# Altium PCB MOTHER_BOARD_V1.0_TEST.PcbDoc (part 1 of 2)
Units mm, origin at the board's own origin, x right, y up, seen from the top; angles counter-clockwise.
Board outline 320 x 91 mm, 6 copper layers (Top Layer, Layer 2, Layer 3, Layer 4, Layer 5, Bottom Layer), stack 1.509 mm thick; 140 components, 446 nets, 1029 pads, 95 vias.
Unrouted connection lines stored in the file: 1411.
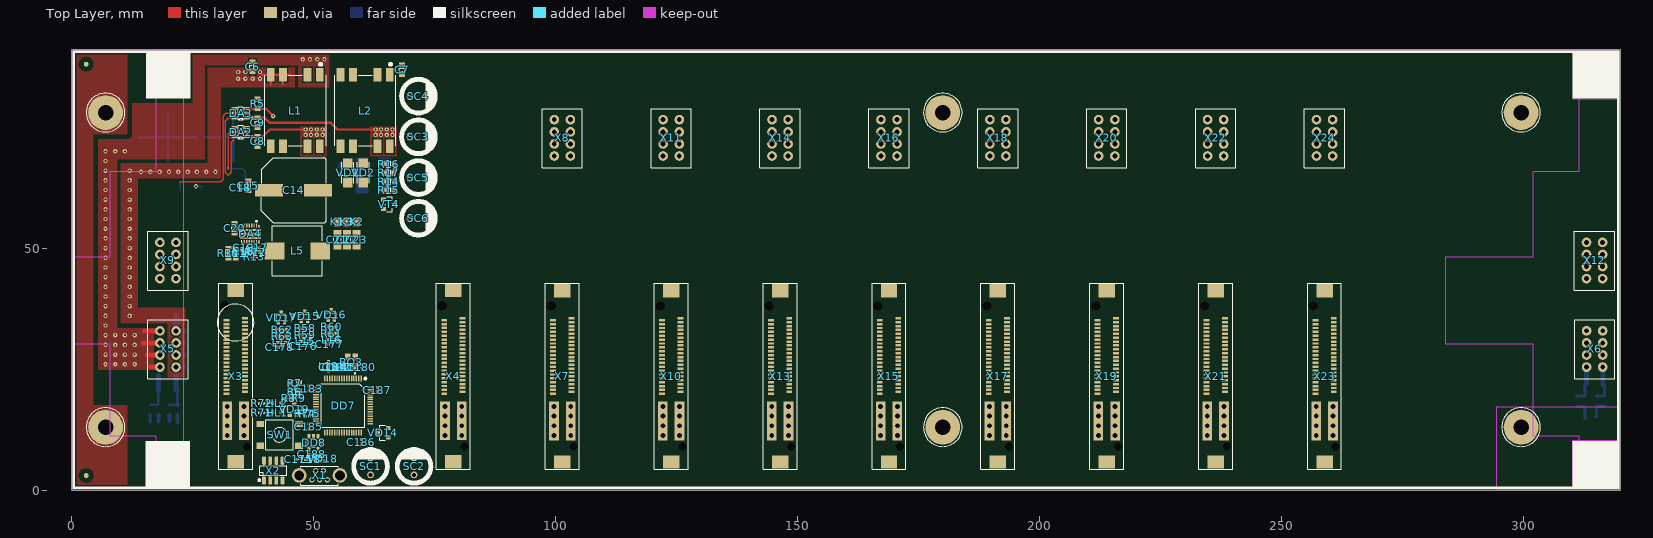
[diagram p0: Top Layer view]
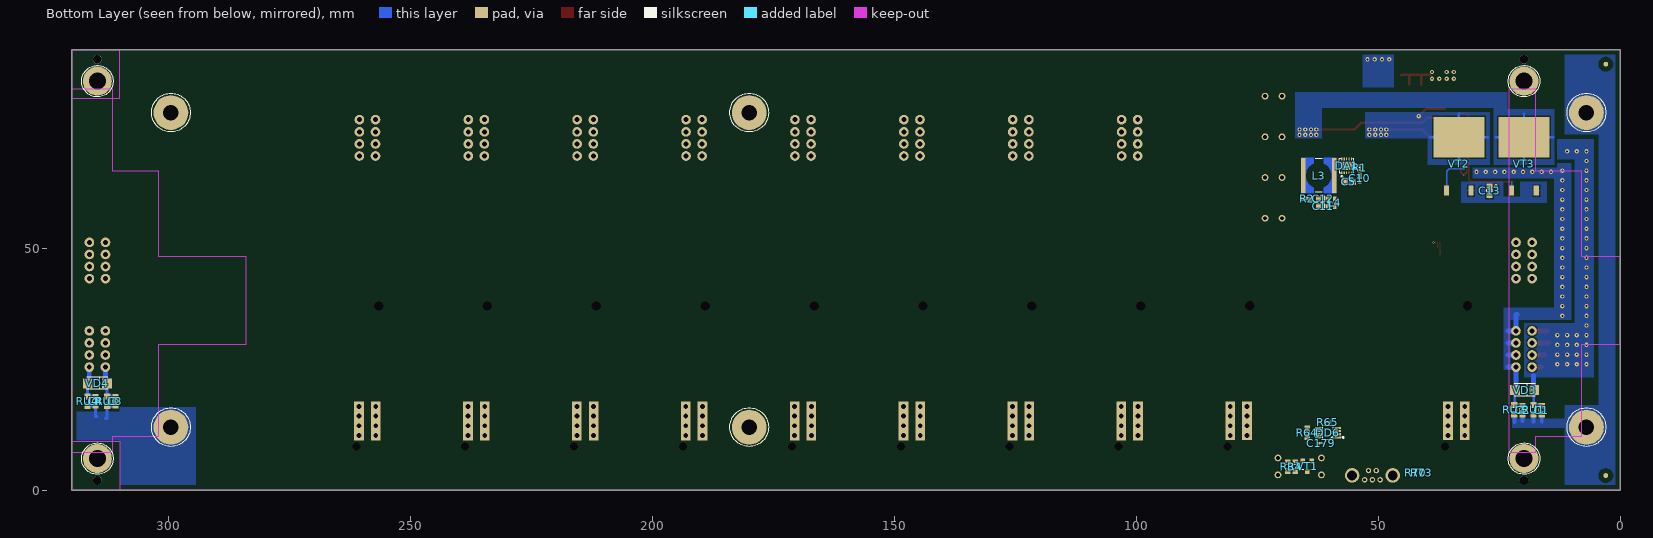
[diagram p1: Bottom Layer view, seen from below]
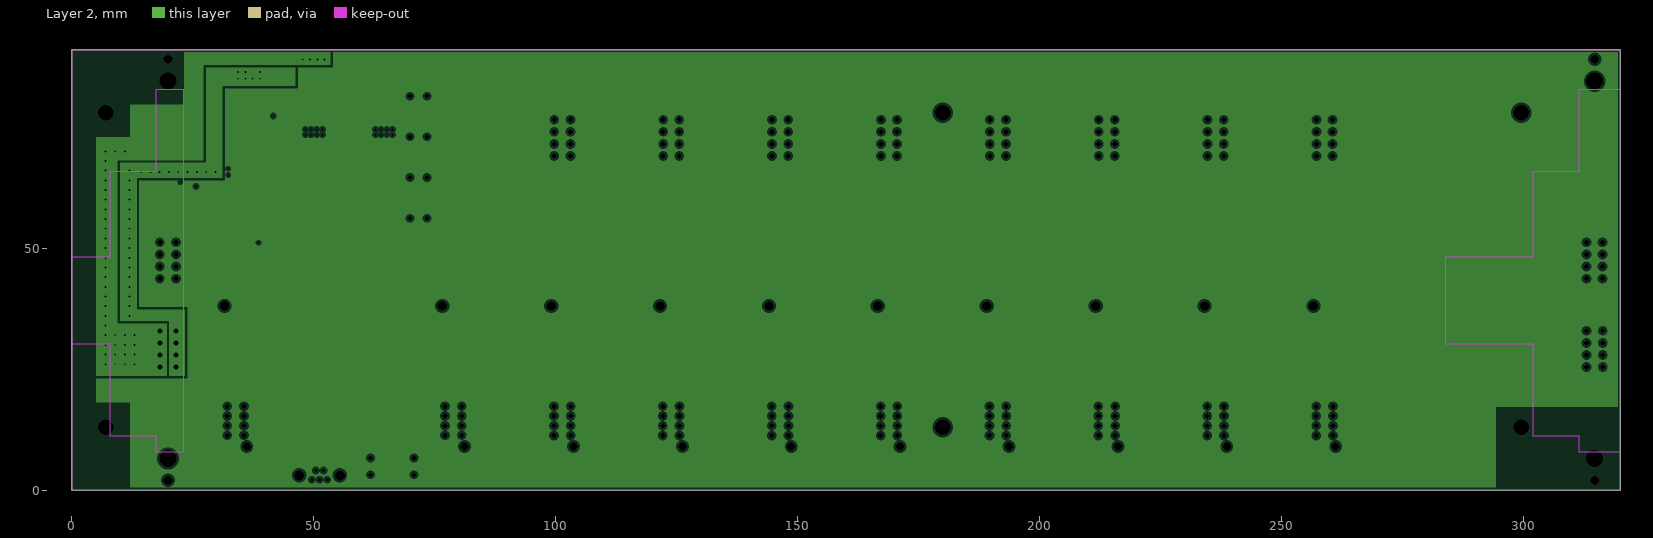
[diagram p2: Layer 2, clearances drawn from the general rule]
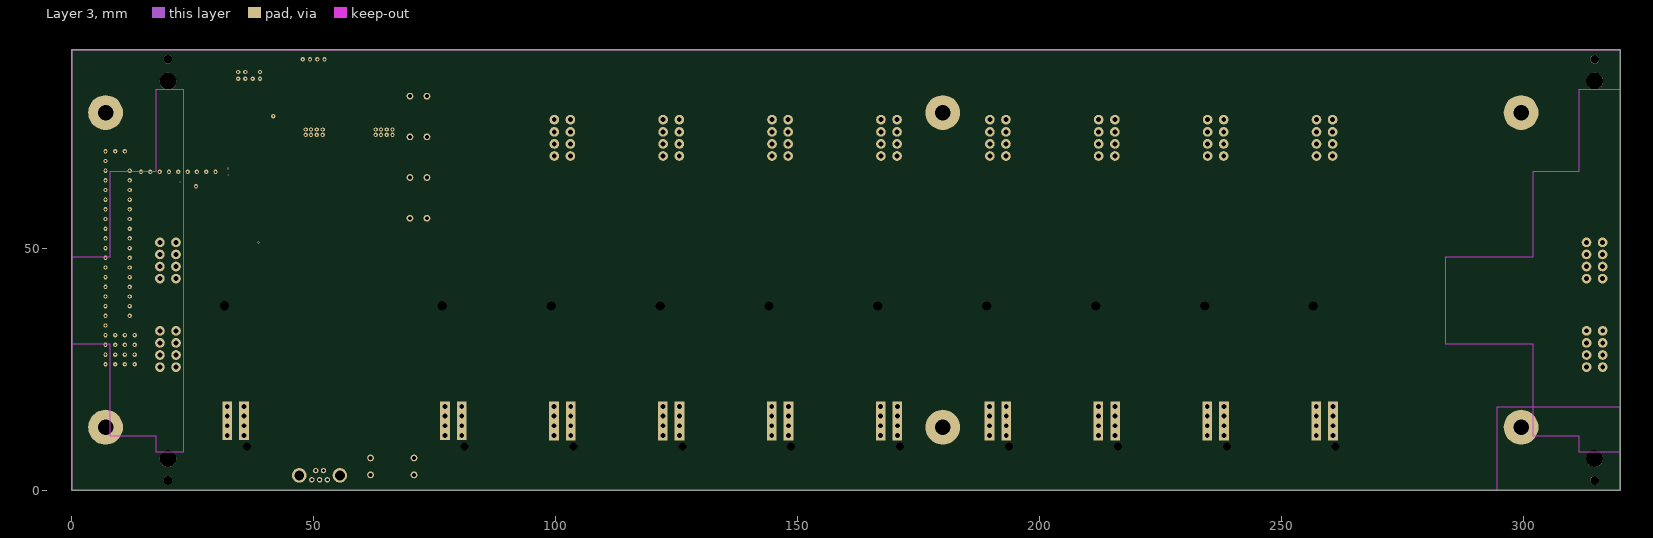
[diagram p3: Layer 3]
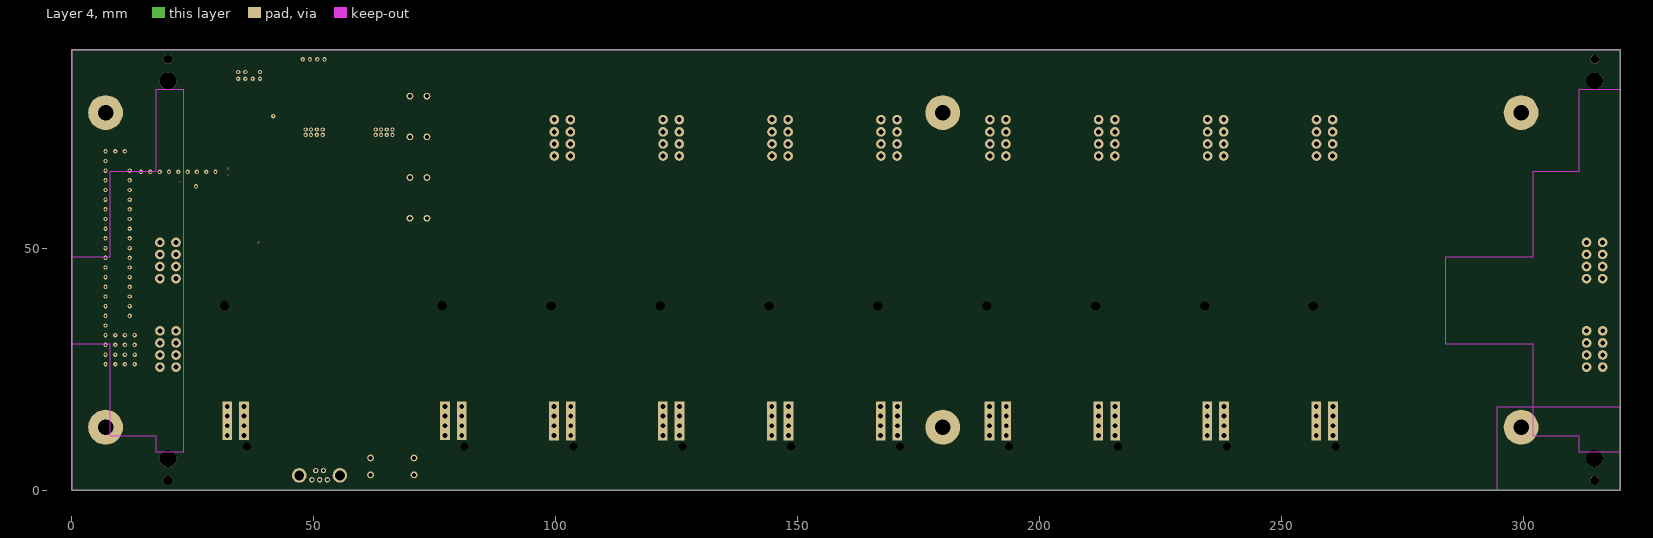
[diagram p4: Layer 4]
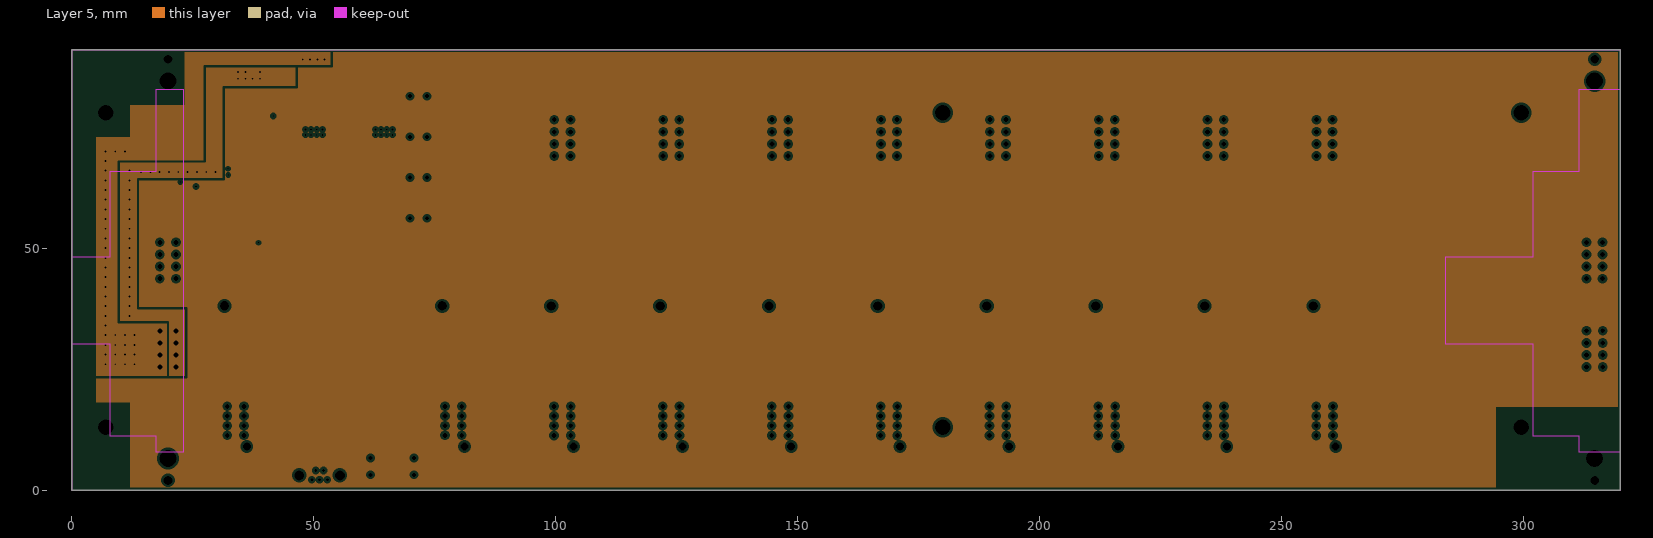
[diagram p5: Layer 5, clearances drawn from the general rule]

## Layer stack, top to bottom
Top Solder: solder mask 0.025, Solder Resist, Dk 3.5
Top Layer: signal copper 0.018
PREPREG1: prepreg 0.127, 2116, Dk 4.2
Layer 2: plane copper 0.018, net (Multiple Nets)
CORE1: core 0.51, FR4, Dk 4.6
Layer 3: signal copper 0.018
PREPREG2: prepreg 0.127, 2116, Dk 4.2
Layer 4: signal copper 0.018
CORE2: core 0.51, FR4, Dk 4.6
Layer 5: plane copper 0.018, net (Multiple Nets)
PREPREG3: prepreg 0.127, 2116, Dk 4.2
Bottom Layer: signal copper 0.018
Bottom Solder: solder mask 0.025, Solder Resist, Dk 3.5

## Board outline
0,0 0,91 320,91 320,0

## Design rules (kind name [scope] priority, off if disabled: settings)
Clearance ClearanceBoard [All vs OnLayer('Keep-Out Layer')] p1: gap=1 ignorepadtopadclearanceinfootprint=FALSE
Clearance ClearanceShield [IsTrack or InPoly vs InNet('SHIELD')] p2: gap=1 ignorepadtopadclearanceinfootprint=FALSE
Clearance [All] p3: gap=0.125 ignorepadtopadclearanceinfootprint=TRUE
DiffPairsRouting [All] p1: maxlimit=0.254 minlimit=0.254 mostfreqgap=0.254 toplayer_minwidth=0.381 toplayer_maxwidth=0.381 toplayer_prefwidth=0.381 midlayer1_minwidth=0.381 midlayer1_maxwidth=0.381 midlayer1_prefwidth=0.381 midlayer2_minwidth=0.381 midlayer2_maxwidth=0.381 midlayer2_prefwidth=0.381 bottomlayer_minwidth=0.381 bottomlayer_maxwidth=0.381 bottomlayer_prefwidth=0.381 maxuncoupledlength=12.7
Height [OnBottom] p1: minheight=0 maxheight=7 prefheight=5
HoleSize [All] p1: absolutevalues=TRUE maxlimit=5 minlimit=0.2 maxpercent=80.000 minpercent=20.000
PlaneClearance PlaneClearanceShield [InNet('SHIELD')] p1: clearance=1
PlaneClearance [All] p2: clearance=0.5
PlaneConnect PlaneConnectShieldM3 [InPadClass('M3_SHIELD')] p1: planeconnectstyle=Direct reliefexpansion=0.5 reliefentries=4 reliefconductorwidth=0.25 reliefairgap=0.25
PlaneConnect PlaneConnectVia [IsVia] p2: planeconnectstyle=Direct reliefexpansion=0.5 reliefentries=4 reliefconductorwidth=0.25 reliefairgap=0.25
PlaneConnect PlaneConnectNet [All] p3: planeconnectstyle=Relief reliefexpansion=0.5 reliefentries=4 reliefconductorwidth=0.25 reliefairgap=0.25
PolygonConnect PolygonConnectShieldM3 [InPadClass('M3_SHIELD') vs InNet('SHIELD')] p1: connectstyle=Direct reliefconductorwidth=0.254 reliefentries=4 polygonreliefangle="90 Angle" airgapwidth=0.254
PolygonConnect [All] p2: thpad.connectstyle=Relief thpad.reliefconductorwidth=0.25 thpad.reliefentries=4 thpad.polygonreliefangle="90 Angle" thpad.airgapwidth=0.25 smdpad.connectstyle=Relief smdpad.reliefconductorwidth=0.25 smdpad.reliefentries=4 smdpad.polygonreliefangle="90 Angle" smdpad.airgapwidth=0.25 via.connectstyle=Direct via.reliefconductorwidth=0.25 via.reliefentries=4 via.polygonreliefangle="90 Angle" via.airgapwidth=0.25
RoutingCorners [All] p1: cornerstyle=45-Degree minsetback=2.5 maxsetback=2.5
RoutingVias VIA [All] p1: holewidth=0.2 width=0.4 viastyle="Through Hole" minholewidth=0.2 minwidth=0.4 maxholewidth=0.8 maxwidth=1.35
SolderMaskExpansion [All] p1: expansion=0.075 istentingtop=FALSE
Width WidthTrack [All] p1: maxlimit=5 minlimit=0.1 preferedwidth=0.125
24 further rules are at their usual default settings.

## Classes and differential pairs
pad class M3_SHIELD: Free-M3
net class P0_TX: P0_TX_CLK P0_TX_EN P0_TXD0 P0_TXD1 P0_TXD2 P0_TXD3
net class P0_TXRX: P0_TXRX_A_N P0_TXRX_A_P P0_TXRX_B_N P0_TXRX_B_P P0_TXRX_C_N P0_TXRX_C_P P0_TXRX_D_N P0_TXRX_D_P
net class P0_RX: P0_RX_CLK P0_RX_DV P0_RXD0 P0_RXD1 P0_RXD2 P0_RXD3
differential pair BUF_P10_SGMII_TX: +BUF_P10_SGMII_TX_P -BUF_P10_SGMII_TX_N
differential pair BUF_P10_SGMII_RX: +BUF_P10_SGMII_RX_P -BUF_P10_SGMII_RX_N
differential pair BUF_P9_SGMII_TX: +BUF_P9_SGMII_TX_P -BUF_P9_SGMII_TX_N
differential pair BUF_P9_SGMII_RX: +BUF_P9_SGMII_RX_P -BUF_P9_SGMII_RX_N
differential pair RS485_AB: +RS485_AB_P -RS485_AB_N
differential pair PHY8_TXRX_D: +PHY8_TXRX_D_P -PHY8_TXRX_D_N
differential pair PHY8_TXRX_C: +PHY8_TXRX_C_P -PHY8_TXRX_C_N
differential pair PHY8_TXRX_B: +PHY8_TXRX_B_P -PHY8_TXRX_B_N
differential pair PHY8_TXRX_A: +PHY8_TXRX_A_P -PHY8_TXRX_A_N
differential pair PHY7_TXRX_D: +PHY7_TXRX_D_P -PHY7_TXRX_D_N
differential pair PHY7_TXRX_C: +PHY7_TXRX_C_P -PHY7_TXRX_C_N
differential pair PHY7_TXRX_B: +PHY7_TXRX_B_P -PHY7_TXRX_B_N
differential pair PHY7_TXRX_A: +PHY7_TXRX_A_P -PHY7_TXRX_A_N
differential pair PHY6_TXRX_D: +PHY6_TXRX_D_P -PHY6_TXRX_D_N
differential pair PHY6_TXRX_C: +PHY6_TXRX_C_P -PHY6_TXRX_C_N
differential pair PHY6_TXRX_B: +PHY6_TXRX_B_P -PHY6_TXRX_B_N
differential pair PHY6_TXRX_A: +PHY6_TXRX_A_P -PHY6_TXRX_A_N
differential pair PHY5_TXRX_D: +PHY5_TXRX_D_P -PHY5_TXRX_D_N
differential pair PHY5_TXRX_C: +PHY5_TXRX_C_P -PHY5_TXRX_C_N
differential pair PHY5_TXRX_B: +PHY5_TXRX_B_P -PHY5_TXRX_B_N
differential pair PHY5_TXRX_A: +PHY5_TXRX_A_P -PHY5_TXRX_A_N
differential pair PHY4_TXRX_D: +PHY4_TXRX_D_P -PHY4_TXRX_D_N
differential pair PHY4_TXRX_C: +PHY4_TXRX_C_P -PHY4_TXRX_C_N
differential pair PHY4_TXRX_B: +PHY4_TXRX_B_P -PHY4_TXRX_B_N
differential pair PHY4_TXRX_A: +PHY4_TXRX_A_P -PHY4_TXRX_A_N
differential pair PHY3_TXRX_D: +PHY3_TXRX_D_P -PHY3_TXRX_D_N
differential pair PHY3_TXRX_C: +PHY3_TXRX_C_P -PHY3_TXRX_C_N
differential pair PHY3_TXRX_B: +PHY3_TXRX_B_P -PHY3_TXRX_B_N
differential pair PHY3_TXRX_A: +PHY3_TXRX_A_P -PHY3_TXRX_A_N
differential pair PHY2_TXRX_D: +PHY2_TXRX_D_P -PHY2_TXRX_D_N
differential pair PHY2_TXRX_C: +PHY2_TXRX_C_P -PHY2_TXRX_C_N
differential pair PHY2_TXRX_B: +PHY2_TXRX_B_P -PHY2_TXRX_B_N
differential pair PHY2_TXRX_A: +PHY2_TXRX_A_P -PHY2_TXRX_A_N
differential pair PHY1_TXRX_D: +PHY1_TXRX_D_P -PHY1_TXRX_D_N
differential pair PHY1_TXRX_C: +PHY1_TXRX_C_P -PHY1_TXRX_C_N
differential pair PHY1_TXRX_B: +PHY1_TXRX_B_P -PHY1_TXRX_B_N
differential pair PHY1_TXRX_A: +PHY1_TXRX_A_P -PHY1_TXRX_A_N
differential pair P10_SGMII_TX: +P10_SGMII_TX_P -P10_SGMII_TX_N
differential pair P10_SGMII_RX: +P10_SGMII_RX_P -P10_SGMII_RX_N
differential pair P9_SGMII_TX: +P9_SGMII_TX_P -P9_SGMII_TX_N
differential pair P9_SGMII_RX: +P9_SGMII_RX_P -P9_SGMII_RX_N
differential pair P8_TXRX_D: +P8_TXRX_D_P -P8_TXRX_D_N
differential pair P8_TXRX_C: +P8_TXRX_C_P -P8_TXRX_C_N
differential pair P8_TXRX_B: +P8_TXRX_B_P -P8_TXRX_B_N
differential pair P8_TXRX_A: +P8_TXRX_A_P -P8_TXRX_A_N
differential pair P7_TXRX_D: +P7_TXRX_D_P -P7_TXRX_D_N
differential pair P7_TXRX_C: +P7_TXRX_C_P -P7_TXRX_C_N
differential pair P7_TXRX_B: +P7_TXRX_B_P -P7_TXRX_B_N
differential pair P7_TXRX_A: +P7_TXRX_A_P -P7_TXRX_A_N
differential pair P6_TXRX_D: +P6_TXRX_D_P -P6_TXRX_D_N
differential pair P6_TXRX_C: +P6_TXRX_C_P -P6_TXRX_C_N
differential pair P6_TXRX_B: +P6_TXRX_B_P -P6_TXRX_B_N
differential pair P6_TXRX_A: +P6_TXRX_A_P -P6_TXRX_A_N
differential pair P5_TXRX_D: +P5_TXRX_D_P -P5_TXRX_D_N
differential pair P5_TXRX_C: +P5_TXRX_C_P -P5_TXRX_C_N
differential pair P5_TXRX_B: +P5_TXRX_B_P -P5_TXRX_B_N
differential pair P5_TXRX_A: +P5_TXRX_A_P -P5_TXRX_A_N
differential pair P4_TXRX_D: +P4_TXRX_D_P -P4_TXRX_D_N
differential pair P4_TXRX_C: +P4_TXRX_C_P -P4_TXRX_C_N
differential pair P4_TXRX_B: +P4_TXRX_B_P -P4_TXRX_B_N
differential pair P4_TXRX_A: +P4_TXRX_A_P -P4_TXRX_A_N
differential pair P3_TXRX_D: +P3_TXRX_D_P -P3_TXRX_D_N
differential pair P3_TXRX_C: +P3_TXRX_C_P -P3_TXRX_C_N
differential pair P3_TXRX_B: +P3_TXRX_B_P -P3_TXRX_B_N
differential pair P3_TXRX_A: +P3_TXRX_A_P -P3_TXRX_A_N
differential pair P2_TXRX_D: +P2_TXRX_D_P -P2_TXRX_D_N
differential pair P2_TXRX_C: +P2_TXRX_C_P -P2_TXRX_C_N
differential pair P2_TXRX_B: +P2_TXRX_B_P -P2_TXRX_B_N
differential pair P2_TXRX_A: +P2_TXRX_A_P -P2_TXRX_A_N
differential pair P1_TXRX_D: +P1_TXRX_D_P -P1_TXRX_D_N
differential pair P1_TXRX_C: +P1_TXRX_C_P -P1_TXRX_C_N
differential pair P1_TXRX_B: +P1_TXRX_B_P -P1_TXRX_B_N
differential pair P1_TXRX_A: +P1_TXRX_A_P -P1_TXRX_A_N
differential pair P0_TXRX_D: +P0_TXRX_D_P -P0_TXRX_D_N
differential pair P0_TXRX_C: +P0_TXRX_C_P -P0_TXRX_C_N
differential pair P0_TXRX_B: +P0_TXRX_B_P -P0_TXRX_B_N
differential pair P0_TXRX_A: +P0_TXRX_A_P -P0_TXRX_A_N
differential pair DBG_USB: +DBG_USB_P -DBG_USB_N
differential pair CPU_TXRX_D: +CPU_TXRX_D_P -CPU_TXRX_D_N
differential pair CPU_TXRX_C: +CPU_TXRX_C_P -CPU_TXRX_C_N
differential pair CPU_TXRX_B: +CPU_TXRX_B_P -CPU_TXRX_B_N
differential pair CPU_TXRX_A: +CPU_TXRX_A_P -CPU_TXRX_A_N
differential pair BMC_USB: +BMC_USB_P -BMC_USB_N

## Components (designator, comment, footprint, x,y, rotation, side; value= is the part's Value field where it differs from the comment)
BQ3 "8 МГц" WE-XTAL_CFPX-180 57.8,26.375 r90 top
C1 "100 пФ" C0805 16.233,16.541 r270 bottom
C2 "100 пФ" C0805 20.202,16.541 r90 bottom
C3 "100 пФ" C0805 310.95,18.35 r270 bottom
C4 "100 пФ" C0805 315.05,18.35 r90 bottom
C5 "1 мкФ" C0805 56.1,63.7 r0 bottom
C6 "0,1 мкФ" C0805 37.383,87.468 r90 top
C7 "0,1 мкФ" C0805 68.275,86.85 r270 top
C8 "0,1 мкФ" C0805 38.433,72.029 r90 top
C9 "0,1 мкФ" C0805 38.433,75.935 r90 top
C10 "68 нФ" C0603 53.825,64.45 r90 bottom
C11 "22 мкФ" C0805 61.425,58.6 r0 bottom
C12 "22 мкФ" C0805 61.425,60.175 r0 bottom
C13 "22 мкФ" C0805 27.025,61.825 r90 bottom
C14 "220 мкФ 63 В" WCAP-ASLL_12.5x14 45.85,61.95 r180 top locked
C15 "22 мкФ" C0805 36.5,62.9 r270 top
C16 "4,7 нФ" C0402 35.6,49.325 r0 top
C17 "2,2 нФ" C0402 38.3,50.1 r180 top
C18 "22 нФ" C0402 34.85,62.425 r270 top
C19 "100 пФ" C0402 35.6,50.1 r0 top
C20 "0,1 мкФ" C0805 33.675,54.125 r90 top
C21 "100 мкФ" C1206 54.925,51.725 r90 top
C22 "100 мкФ" C1206 56.9,51.725 r90 top
C23 "100 мкФ" C1206 58.875,51.725 r90 top
C175 "1 мкФ" C0402 46.875,6.375 r180 top
C176 "0,47 мкФ" C0402 47.825,29.767 r180 top
C177 "0,47 мкФ" C0402 53.329,30.085 r180 top
C178 "0,47 мкФ" C0402 43.029,29.485 r180 top
C179 "0,1 мкФ" C0402 61.827,9.71 r0 bottom
C180 "22 пФ" C0402 59.925,25.35 r90 top
C181 "22 пФ" C0402 55.575,25.35 r270 top
C182 "0,1 мкФ" C0402 54.787,25.35 r270 top
C183 "0,1 мкФ" C0402 49.025,20.975 r270 top
C184 "0,47 мкФ" C0402 54,25.35 r270 top
C185 "0,1 мкФ" C0402 49.025,13.1 r90 top
C186 "0,1 мкФ" C0402 59.825,9.9 r90 top
C187 "0,1 мкФ" C0402 63.125,20.675 r90 top
C188 "0,1 мкФ" C0402 49.575,7.375 r0 top
DA1 "LM5165YDRC" VSON-10 56.545,66.975 r90 bottom
DA2 "LTC4412ES6" TSOT-23-6 34.953,73.962 r90 top
DA3 "LTC4412ES6" TSOT-23-6 34.953,77.879 r90 top
DA4 "TPS54020RUW" PVQFN-N15 36.925,52.925 r180 top
DD6 "ADM3061EARMZ" MSOP-8 58.43,10.875 r0 bottom
DD7 "STM32F103RBT6" LQFP64 56.075,17.475 r270 top locked
DD8 "24AA64T-I/OT" SOT-23(DBV5) 49.975,9.775 r180 top
HL1 "WL-SMCW 150060GS84000 (зелёный)" "WL-SMCW_0603 dome" 42.435,16.025 r180 top
HL2 "WL-SMCW 150060GS84000 (зелёный)" "WL-SMCW_0603 dome" 42.435,17.932 r180 top
K1 "GND_DELIM" GND_DELIM 54.925,55.475 r270 top net-tie
K2 "GND_DELIM" GND_DELIM 58.875,55.475 r270 top net-tie
K3 "GND_DELIM" GND_DELIM 56.9,55.475 r270 top net-tie
L1 "WE-UCF 744290130" WE-UCF 46.188,78.433 r270 top locked
L2 "WE-UCF 744290130" WE-UCF 60.646,78.433 r270 top locked
L3 "150 мкГн" WE-TPC_6823 62.325,65 r270 bottom
L4 "WE-CBF 742792625" WE-CBF_0603 59,59.35 r270 bottom
L5 "2,2 мкГн" WE-LHMI_1040 46.625,49.425 r0 top
L15 "WE-CBF 742792625" WE-CBF_0603 48.275,30.775 r180 top
L16 "WE-CBF 742792625" WE-CBF_0603 53.779,31.093 r180 top
L17 "WE-CBF 742792625" WE-CBF_0603 43.479,30.493 r180 top
L18 "WE-CBF 742792625" WE-CBF_0603 49.35,6.375 r0 top
L19 "WE-CBF 742792625" WE-CBF_0603 53.075,25.575 r90 top
R1 "100К" R0402 53.85,66.65 r270 bottom
R2 "1 Ом" R0603 64.7,60.175 r180 bottom
R3 "88,7 1%" R0805 68.725,4.85 r90 bottom locked
R4 "88,7 1%" R0805 67.175,4.85 r90 bottom locked
R5 "5K11 1%" R0805 38.408,79.869 r90 top
R6 "470К" R0805 46.1,20.35 r180 top
R7 "470К" R0805 46.1,22.125 r180 top
R8 "5К1" R0402 44.9,19.025 r180 top
R9 "100" R0402 46.9,19.025 r0 top value="100 Ом 0402"
R10 "88K7 1%" R0805 32.375,48.975 r90 top
R11 "5K11 1%" R0805 33.9,48.975 r90 top
R12 "11К 1%" R0603 38.05,49.175 r0 top
R13 "1К5 1%" R0402 37.7,48.2 r0 top
R14 "88,7 1%" R0805 65.525,63.742 r180 top
R15 "88,7 1%" R0805 65.525,61.934 r180 top
R16 "88,7 1%" R0805 65.525,67.358 r180 top
R17 "88,7 1%" R0805 65.525,65.55 r180 top
R58 "33К 1%" R0603 48.275,33.441 r180 top
R59 "10К 1%" R0603 48.275,32.033 r180 top
R60 "33К 1%" R0603 53.779,33.759 r180 top
R61 "10К 1%" R0603 53.779,32.351 r180 top
R62 "33К 1%" R0603 43.479,33.159 r180 top
R63 "10К 1%" R0603 43.479,31.751 r180 top
R64 "120 Ом" R0805 64.675,11.875 r90 bottom
R65 "10К" R0402 60.45,14.05 r0 bottom
R70 "2К7" R0402 42.275,3.6 r270 bottom
R71 "820 Ом 1%" R0402 39.25,15.975 r180 top
R72 "820 Ом 1%" R0402 39.25,17.9 r180 top
R73 "2К7" R0402 41,3.6 r270 bottom
R74 "2К7" R0402 48.275,15.725 r90 top
R75 "2К7" R0402 49.15,15.725 r90 top
RU1 "WE-VS 82550140" WE-VS_0805 17.917,16.617 r90 bottom
RU2 "WE-VS 82550140" WE-VS_0805 21.886,16.617 r270 bottom
RU3 "WE-VS 82550140" WE-VS_0805 312.675,18.35 r90 bottom
RU4 "WE-VS 82550140" WE-VS_0805 316.725,18.35 r270 bottom
SC1 "1 Ф 3,0 В" CAP_POL_8x13 61.754,3.143 r90 top
SC2 "1 Ф 3,0 В" CAP_POL_8x13 70.737,3.143 r90 top
SC3 "1 Ф 3,0 В" CAP_POL_8x13 69.9,72.992 r0 top
SC4 "1 Ф 3,0 В" CAP_POL_8x13 69.9,81.4 r0 top
SC5 "1 Ф 3,0 В" CAP_POL_8x13 69.9,64.583 r0 top
SC6 "1 Ф 3,0 В" CAP_POL_8x13 69.9,56.175 r0 top
SW1 "WS-TASV 430182050816" "WS-TASV 430182050816" 42.95,11.425 r0 top
VD1 "MRA4007T3G" SMA(DO-214AC) 57.054,65.55 r270 top
VD2 "MRA4007T3G" SMA(DO-214AC) 60.263,65.55 r270 top
VD3 "SMAJ12A" SMA(DO-214AC) 19.755,20.671 r180 bottom locked
VD4 "SMAJ12A" SMA(DO-214AC) 314.7,22.041 r180 bottom
VD14 "WE-TVS 824021" SOT-23 64.325,11.875 r0 top
VD15 "BAV199W" SOT-323 48.125,35.899 r180 top
VD16 "BAV199W" SOT-323 53.629,36.217 r180 top
VD17 "BAV199W" SOT-323 43.329,35.617 r180 top
VD18 "WE-TVS 82400152" SOT-563 51.925,6.525 r0 top
VD19 "BAT54A" SOT-23 46,16.725 r270 top
VT1 "DMP3098L-7" SOT-23 64.675,4.9 r90 bottom locked
VT2 "SUM110P06-07L-E3" "D2PAK (TO-263)" 33.363,67.392 r180 bottom locked
VT3 "SUM110P06-07L-E3" "D2PAK (TO-263)" 19.905,67.392 r180 bottom
VT4 "DMP3098L-7" SOT-23 65.525,59.025 r180 top
X1 "WR-COM 651005136421" WR-COM_651005136421 51.225,2.995 r0 top
X2 "WR-PHD 62330821021" WR-PHD_62330821021 41.65,4.025 r0 top locked
X3 "Amphenol CE1204000110111" CE1204000110111 36.182,9.003 r90 top locked
X4 "Amphenol CE1204000110111" CE1204000110111 81.182,9.003 r90 top locked
X5 "MOLEX 46112-0201" "MOLEX 46112-0201" 19.9,29.156 r0 top locked
X6 "MOLEX 46112-0201" "MOLEX 46112-0201" 314.7,29.166 r0 top locked
X7 "Amphenol CE1204000110111" CE1204000110111 103.683,8.99 r90 top locked
X8 "MOLEX 46112-0201" "MOLEX 46112-0201" 101.383,72.78 r0 top locked
X9 "MOLEX 46112-0201" "MOLEX 46112-0201" 19.881,47.44 r0 top locked
X10 "Amphenol CE1204000110111" CE1204000110111 126.183,8.99 r90 top locked
X11 "MOLEX 46112-0201" "MOLEX 46112-0201" 123.883,72.78 r0 top locked
X12 "MOLEX 46112-0201" "MOLEX 46112-0201" 314.681,47.44 r0 top locked
X13 "Amphenol CE1204000110111" CE1204000110111 148.684,8.99 r90 top locked
X14 "MOLEX 46112-0201" "MOLEX 46112-0201" 146.384,72.78 r0 top locked
X15 "Amphenol CE1204000110111" CE1204000110111 171.184,8.99 r90 top locked
X16 "MOLEX 46112-0201" "MOLEX 46112-0201" 168.884,72.78 r0 top locked
X17 "Amphenol CE1204000110111" CE1204000110111 193.684,8.99 r90 top locked
X18 "MOLEX 46112-0201" "MOLEX 46112-0201" 191.385,72.78 r0 top locked
X19 "Amphenol CE1204000110111" CE1204000110111 216.185,8.99 r90 top locked
X20 "MOLEX 46112-0201" "MOLEX 46112-0201" 213.885,72.78 r0 top locked
X21 "Amphenol CE1204000110111" CE1204000110111 238.685,8.99 r90 top locked
X22 "MOLEX 46112-0201" "MOLEX 46112-0201" 236.385,72.78 r0 top locked
X23 "Amphenol CE1204000110111" CE1204000110111 261.186,8.99 r90 top locked
X24 "MOLEX 46112-0201" "MOLEX 46112-0201" 258.886,72.78 r0 top locked

## Footprints (in the part's own frame and the unit in brackets; to place one, negate y for a bottom-side part, rotate by r counter-clockwise, add the part's x,y. Pads: shape width x height; smd on the part's side, far side on the other; paste and mask are expansions set on the pad)
C0402 [mm]
  rect 0.6x0.5 smd paste-0.025 mask+0.05: 1(-0.55,0) 2(0.55,0)
  silkscreen extent 0,-0.15 0,0.15, body extent -0.5,-0.25 0.5,0.25, height 0.63
C0603 [mm]
  rect 0.8x0.75 smd paste-0.037 mask+0.05: 1(-0.75,0) 2(0.75,0)
  silkscreen extent -0.15,-0.33 0.15,0.33, body extent -0.8,-0.4 0.8,0.4, height 0.93
C0805 [mm]
  rect 1x1.25 smd paste-0.05 mask+0.05: 1(-1,0) 2(1,0)
  silkscreen extent -0.33,-0.55 0.33,0.55, body extent -1,-0.62 1,0.63, height 1.03
C1206 [mm]
  rect 1x1.6 smd paste-0.05 mask+0.05: 1(-1.5,0) 2(1.5,0)
  silkscreen extent -0.82,-0.72 0.82,0.72, body extent -1.6,-0.8 1.6,0.8, height 1.03
CAP_POL_8x13 [mm]
  round 1.4 hole 0.8 paste+0 mask+0.075: 1(0,0) 2(3.5,0)
  silkscreen extent -1.73,-3.47 5.3,3.48, body extent -2.26,-4 5.75,4, height 13.06
CE1204000110111 [mm]
  rect 2.7x3.4 smd paste-0.1 mask+0.05: 0(-3.15,2.3) 0(32.2,2.3)
  rect 0.5x1.2 smd paste-0.05 mask+0.05: 1(11.3,0.4) 2(10.9,4.2) 3(12.1,0.4) 4(11.7,4.2) 5(12.9,0.4) 6(12.5,4.2) 7(13.7,0.4) 8(13.3,4.2) 9(14.5,0.4) 10(14.1,4.2) 11(15.3,0.4) 12(14.9,4.2) 13(16.1,0.4) 14(15.7,4.2) 15(16.9,0.4) 16(16.5,4.2) 17(17.7,0.4) 18(17.3,4.2) 19(18.5,0.4) 20(18.1,4.2) 21(19.3,0.4) 22(18.9,4.2) 23(20.1,0.4) 24(19.7,4.2) 25(20.9,0.4) 26(20.5,4.2) 27(21.7,0.4) 28(21.3,4.2) 29(22.5,0.4) 30(22.1,4.2) 31(23.3,0.4) 32(22.9,4.2) 33(24.1,0.4) 34(23.7,4.2) 35(24.9,0.4) 36(24.5,4.2) 37(25.7,0.4) 38(25.3,4.2) 39(26.5,0.4) 40(26.1,4.2)
  rect 0x0 hole 1.65 unplated paste+0 mask+0.05: MO(0,0)
  rect 0x0 hole 1.95 unplated paste+0 mask+0.05: MO(29.05,4.6)
  rect 2x2 hole 1 paste+0 mask+0.1: P1(8.3,0.57) P2(6.3,0.57) P3(4.3,0.57) P4(2.3,0.57) P5(8.3,4.03) P6(6.3,4.03) P7(4.3,4.03) P8(2.3,4.03)
  silkscreen extent -4.67,-1.2 33.73,5.8, body extent -4.3,-1.2 33.35,5.8, height 11.3
"D2PAK (TO-263)" [mm] "D2-PAK/TO-263-AB; 3 Leads (1 Cropped); Body 15.5 (inc. leads) x 10.5 mm (LxW max)"
  rect 1.05x2 smd paste+0 mask+0.075: 1(-2.54,-5.5) 3(2.54,-5.5)
  rect 10.55x8.4 smd paste-0.2 mask+0.075: 4(0,5.5)
  body extent -5.05,-5.97 5.11,9.3, height 4.98
GND_DELIM [mm]
  rect 1x1.45 smd paste-5 mask-5: 1(-0.4,0) 2(0.5,0)
LQFP64 [mm]
  rrect50% 1.2x0.3 smd paste+0 mask+0.05: 1(-5.6,3.75) 2(-5.6,3.25) 3(-5.6,2.75) 4(-5.6,2.25) 5(-5.6,1.75) 6(-5.6,1.25) 7(-5.6,0.75) 8(-5.6,0.25) 9(-5.6,-0.25) 10(-5.6,-0.75) 11(-5.6,-1.25) 12(-5.6,-1.75) 13(-5.6,-2.25) 14(-5.6,-2.75) 15(-5.6,-3.25) 16(-5.6,-3.75) 33(5.6,-3.75) 34(5.6,-3.25) 35(5.6,-2.75) 36(5.6,-2.25) 37(5.6,-1.75) 38(5.6,-1.25) 39(5.6,-0.75) 40(5.6,-0.25) 41(5.6,0.25) 42(5.6,0.75) 43(5.6,1.25) 44(5.6,1.75) 45(5.6,2.25) 46(5.6,2.75) 47(5.6,3.25) 48(5.6,3.75)
  rrect50% 0.3x1.2 smd paste+0 mask+0.05: 17(-3.75,-5.6) 18(-3.25,-5.6) 19(-2.75,-5.6) 20(-2.25,-5.6) 21(-1.75,-5.6) 22(-1.25,-5.6) 23(-0.75,-5.6) 24(-0.25,-5.6) 25(0.25,-5.6) 26(0.75,-5.6) 27(1.25,-5.6) 28(1.75,-5.6) 29(2.25,-5.6) 30(2.75,-5.6) 31(3.25,-5.6) 32(3.75,-5.6) 49(3.75,5.6) 50(3.25,5.6) 51(2.75,5.6) 52(2.25,5.6) 53(1.75,5.6) 54(1.25,5.6) 55(0.75,5.6) 56(0.25,5.6) 57(-0.25,5.6) 58(-0.75,5.6) 59(-1.25,5.6) 60(-1.75,5.6) 61(-2.25,5.6) 62(-2.75,5.6) 63(-3.25,5.6) 64(-3.75,5.6)
  silkscreen extent -5.77,-4.46 4.46,4.8, body extent -6,-6 6,6, height 1.6
"MOLEX 46112-0201" [mm]
  round 2 hole 1.02 paste-0.1 mask+0.05: 1(-1.665,3.75) 2(1.665,3.75) 3(-1.665,1.25) 4(1.665,1.25) 5(-1.665,-1.25) 6(1.665,-1.25) 7(-1.665,-3.75) 8(1.665,-3.75)
  silkscreen extent -4.17,-6.2 4.17,6.05, body extent -4.17,-6.2 4.17,6.05, height 15.22
MSOP-8 [mm]
  rect 1.35x0.45 smd paste-0.01 mask+0.05: 1(0,0) 2(0,-0.65) 3(0,-1.3) 4(0,-1.95) 5(3.945,-1.95) 6(3.945,-1.3) 7(3.945,-0.65) 8(3.945,0)
  silkscreen extent -1.3,-2.43 3.07,0.48, body extent -0.5,-2.52 4.44,0.58, height 1.1
PVQFN-N15 [mm]
  rect 0.8x0.35 on Top Paste paste+0 mask+0: 0(-1.7,-0.85) 0(-1.7,0.85) 0(1.7,-0.85) 0(1.7,0.85)
  rect 0.8x0.65 on Top Paste paste+0 mask+0: 0(-1.7,0) 0(1.7,0)
  rect 0.85x0.35 on Top Paste paste+0 mask+0: 0(-0.58,0.85) 0(-0.58,-0.85) 0(0.58,0.85) 0(0.58,-0.85)
  rect 0.85x0.65 on Top Paste paste+0 mask+0: 0(-0.58,0) 0(0.58,0)
  rrect50% 0.28x0.85 smd paste-0.015 mask+0.05: 1(-1.25,-1.725)
  rect 0.28x0.85 smd paste-0.015 mask+0.05: 2(-0.75,-1.725) 3(-0.25,-1.725) 4(0.25,-1.725) 5(0.75,-1.725) 6(1.25,-1.725) 10(1.25,1.725) 11(0.75,1.725) 12(0.25,1.725) 13(-0.25,1.725) 14(-0.75,1.725) 15(-1.25,1.725)
  rect 4.3x0.4 smd paste-10 mask+0.05: 7(0,-0.85) 9(0,0.85)
  rect 4.3x0.7 smd paste-10 mask+0.05: 8(0,0)
  silkscreen extent -1.8,-2.77 1.8,1.8, body extent -1.8,-1.8 1.8,1.8, height 1
R0402 [mm]
  rect 0.5x0.6 smd paste-0.025 mask+0.05: 1(-0.5,0) 2(0.5,0)
  silkscreen extent 0,-0.15 0,0.15, body extent -0.5,-0.25 0.5,0.25, height 0.3
R0603 [mm]
  rect 0.9x0.8 smd paste-0.04 mask+0.05: 1(-0.85,0) 2(0.85,0)
  silkscreen extent -0.23,-0.33 0.23,0.33, body extent -0.8,-0.4 0.8,0.4, height 0.4
R0805 [mm]
  rect 0.9x1.2 smd paste-0.045 mask+0.05: 1(-1.05,0) 2(1.05,0)
  silkscreen extent -0.43,-0.55 0.43,0.55, body extent -1,-0.62 1,0.63, height 0.5
SMA(DO-214AC) [mm]
  rect 2x2 smd paste-0.05 mask+0.075: 1(-2,0) 2(2,0)
  silkscreen extent -2.2,-1.25 2.2,1.25, body extent -2.5,-1.35 2.5,1.35, height 2.2
SOT-23 [mm]
  rect 1x0.9 smd paste+0 mask+0.05: 1(1.1,-0.95) 2(1.1,0.95) 3(-1.1,0)
  silkscreen extent -0.7,-1.55 0.7,1.55, body extent -1.32,-1.5 1.32,1.5, height 1.08
SOT-23(DBV5) [mm]
  rect 0.6x1 smd paste-0.015 mask+0.05: 1(-0.95,-1.3) 2(0,-1.3) 3(0.95,-1.3) 4(0.95,1.3) 5(-0.95,1.3)
  silkscreen extent -1.55,-0.9 1.55,0.9, body extent -1.46,-1.17 1.46,1.17, height 1
SOT-323 [mm]
  rect 0.7x0.8 smd paste-0.02 mask+0.05: 1(0.65,1.05) 2(-0.65,1.05) 3(0,-1.05)
  silkscreen extent -1.1,-0.48 1.1,0.48, body extent -1.1,-1.1 1.1,1.15, height 1.1
SOT-563 [mm]
  rrect50% 0.3x0.5 smd paste-0.01 mask+0.05: 1(-0.5,-0.7)
  rect 0.3x0.5 smd paste-0.01 mask+0.05: 2(0,-0.7) 3(0.5,-0.7) 4(0.5,0.7) 5(0,0.7) 6(-0.5,0.7)
  silkscreen extent -0.95,-0.72 0.75,0.25, body extent -0.8,-0.81 0.8,0.81, height 0.58
TSOT-23-6 [mm]
  rect 0.62x1.22 smd paste-0.01 mask+0.05: 1(-0.95,-1.31) 2(0,-1.31) 3(0.95,-1.31) 4(0.95,1.31) 5(0,1.31) 6(-0.95,1.31)
  silkscreen extent -1.38,-2.48 1.38,0.53, body extent -1.45,-1.41 1.45,1.41, height 1
VSON-10 [mm] "TPS3850"
  rect 0.25x0.34 on Bottom Paste paste+0 mask+0.05: 0(-0.25,1.53) 1(0.25,1.53) 2(0.25,-1.53) 3(-0.25,-1.53)
  rect 1.5x1.06 on Bottom Paste paste+0 mask+0.05: 0(0,-0.63) 0(0,0.63)
  rect 0.6x0.24 smd paste+0 mask+0.05: 1(-1.4,1) 2(-1.4,0.5) 3(-1.4,0) 4(-1.4,-0.5) 5(-1.4,-1) 6(1.4,-1) 7(1.4,-0.5) 8(1.4,0) 9(1.4,0.5) 10(1.4,1)
  rect 1.65x2.4 smd paste-5 mask+0.05: 11(0,0)
  Top Layer region: -0.825,1.2 -0.375,1.2 -0.375,1.7 -0.125,1.7 -0.125,1.2 0.125,1.2 0.125,1.7 0.375,1.7 0.375,1.2 0.825,1.2 0.825,-1.2 0.375,-1.2 0.375,-1.7 0.125,-1.7 0.125,-1.2 -0.125,-1.2 -0.125,-1.7 -0.375,-1.7 -0.375,-1.2 -0.825,-1.2
  silkscreen extent -2.3,-1.5 1.5,1.5, body extent -1.5,-1.5 1.5,1.5, height 0.9
WCAP-ASLL_12.5x14 [mm] "Aluminium Electrolytic V-Chip SMT Capacitors, §¶12.5x14mm"
  rect 5.8x2.5 smd paste-0.06 mask+0.05: 1(5.05,0) 2(-5.05,0)
  silkscreen extent -6.73,-6.73 6.73,6.73, body extent -7.1,-6.72 7.1,6.73, height 14
WE-CBF_0603 [mm] "EMI Suppression Ferrite Bead"
  rect 0.95x0.7 smd paste-0.04 mask+0.05: 1(-0.825,0) 2(0.825,0)
  silkscreen extent -0.2,-0.35 0.2,0.35, body extent -0.8,-0.4 0.8,0.4, height 0.8
WE-LHMI_1040 [mm] "SMT Power Inductor, 2-Leads, body 10x10mm"
  rect 4.1x3.5 smd paste+0 mask+0.05: 1(-4.75,0) 2(4.75,0)
  silkscreen extent -5.15,-5.15 5.15,5.15, body extent -5.5,-5 5.5,5, height 3.8
WE-TPC_6823 [mm] "Power Inductor, SMD, 2-Leads, body 6.8x6.8mm"
  rect 7.3x0.9 smd paste-403.566 mask-403.566: 1(0,3.2) 2(0,-3.2)
  Top Layer region: -3.65,1.05 -3.65,3.65 3.65,3.65 3.65,1.05 3.65,1.05 2.488,1.05 1.745,2.06 0.627,2.626 -0.627,2.626 -1.745,2.06 -2.488,1.05 -2.488,1.05 -2.488,1.05
  Top Layer region: 3.65,-1.05 3.65,-3.65 -3.65,-3.65 -3.65,-1.05 -3.65,-1.05 -2.488,-1.05 -1.745,-2.06 -0.627,-2.626 0.627,-2.626 1.745,-2.06 2.488,-1.05 2.488,-1.05 2.488,-1.05
  silkscreen extent -3.5,-0.75 3.5,0.75, body extent -3.4,-3.4 3.4,3.4, height 2.3
WE-UCF [mm] "SMD Inductor, body 14.5x12.5mm"
  rect 2.8x1.6 smd paste+0 mask+0.075: 1(-7.4,5.08) 2(-7.4,2.54) 4(-7.4,-2.54) 5(-7.4,-5.08) 6(7.4,-5.08) 7(7.4,-2.54) 9(7.4,2.54) 10(7.4,5.08)
  silkscreen extent -9.8,-6.3 7.25,6.3, body extent -8.8,-6.25 8.8,6.25, height 9.5
WE-VS_0805 [mm] "SMD Varistor, 2-Leads, body 2x1.25mm"
  rect 1x1.3 smd paste-0.05 mask+0.05: 1(-1.1,0) 2(1.1,0)
  silkscreen extent -0.43,-0.63 0.43,0.63, body extent -1,-0.62 1,0.63, height 1.23
WE-XTAL_CFPX-180 [mm] "Quartz Crystal, size CFPX-180, body 3.4x2.7mm"
  rect 1.4x1.15 smd paste+0 mask+0.05: 1(-1.1,-0.8) 2(1.1,-0.8) 3(1.1,0.8) 4(-1.1,0.8)
  silkscreen extent -2.37,-0.88 -2.13,-0.63, body extent -1.7,-1.35 1.7,1.35, height 0.65
"WL-SMCW_0603 dome" [mm] "SMD Mono-color Chip LED, body 1.6x0.8mm"
  rect 0.7x0.8 smd paste+0 mask+0.05: 1(-0.85,0) 2(0.85,0)
  body extent -0.8,-0.4 0.8,0.4, height 0.95
WR-COM_651005136421 [mm] "Mini USB 2.0 Type B Vertical 5 Contacts"
  round 1.1 hole 0.6 paste+0 mask+0.075: 1(-1.6,-0.87) 2(-0.8,1.03) 3(0,-0.87) 4(0.8,1.03) 5(1.6,-0.87)
  round 3 hole 2 paste+0 mask+0.075: SH1(-4.2,0.03) SH2(4.2,0.03)
  silkscreen extent -3.85,-1.95 3.85,1.95, body extent -5.1,-1.92 5.1,1.98, height 9.4
WR-PHD_62330821021 [mm] "1.27mm SMT Straight Dual Socket  Header"
  rrect50% 0.74x1.7 smd paste-0.02 mask+0.05: 1(-1.905,-2.057) 2(-1.905,2.057) 3(-0.635,-2.057) 4(-0.635,2.057) 5(0.635,-2.057) 6(0.635,2.057) 7(1.905,-2.057) 8(1.905,2.057)
  silkscreen extent -3.1,-2.17 2.75,1, body extent -2.74,-2.3 2.74,2.3, height 4.6
"WS-TASV 430182050816" [mm] "SMD Tact Switch 6x6mm h=5mm"
  rect 1.6x1.3 smd paste-0.03 mask+0.075: 1(-4,2.25) 2(-4,-2.25) 3(4,2.25) 4(4,-2.25)
  silkscreen extent -2.8,-3.1 2.8,3.1, body extent -4.5,-3.1 4.5,3.1, height 5.05

## Part data
BQ3: library part WE-XTAL_830072604, "Кварцевый резонатор WE-XTAL 830108313809 CFPX-180 8 МГц Wurth Elektronik"
C1 C2 C3 C4: library part C0805, "Чип-конденсатор 100 пФ 500 В 0805", TYPE="Чип-конденсатор 0805"
C5: library part C0805, "Чип-конденсатор 1 мкФ 100 В 0805", TYPE="Чип-конденсатор 0805"
C6 C7 C8 C9 C20: library part C0805, "Чип-конденсатор 0,1 мкФ  100 В 0805", TYPE="Чип-конденсатор 0805"
C10: library part C0603, "Чип-конденсатор 68 нФ 50 В 0603", TYPE="Чип-конденсатор 0603"
C11 C12 C13 C15: library part C0805, "Чип-конденсатор 22 мкФ 25 В 0805", TYPE="Чип-конденсатор 0805"
C14: library part WCAP-ASLL_865060762009, "Чип-конденсатор электролитический WCAP-ASLL 865060762009 220 мкФ 63 В Wurth Elektronik"
C16: library part C0402, "Чип-конденсатор 4,7 нФ 50 В 0402", TYPE="Чип-конденсатор 0402"
C17: library part C0402, "Чип-конденсатор 2200 пФ 50 В 0402", TYPE="Чип-конденсатор 0402"
C18: library part C0402, "Чип-конденсатор 22 нФ 50 В 0402", TYPE="Чип-конденсатор 0402"
C19: library part C0402, "Чип-конденсатор 100 пФ 50 В 0402", TYPE="Чип-конденсатор 0402"
C21 C22 C23: library part C1206, "Чип-конденсатор 100 мкФ 6,3 В 1206", TYPE="Чип-конденсатор 1206"
C175: library part C0402, "Чип-конденсатор 1 мкФ 16В/25В 0402", TYPE="Чип-конденсатор 0402"
C176 C177 C178 C184: library part C0402, "Чип-конденсатор 0,47 мкФ 10 В 0402", TYPE="Чип-конденсатор 0402"
C179 C182 C183 C185 C186 C187 C188: library part C0402, "Чип-конденсатор 0,1 мкФ 16 В 0402", TYPE="Чип-конденсатор 0402"
C180 C181: library part C0402, "Чип-конденсатор 22 пФ 50 В 0402", TYPE="Чип-конденсатор 0402"
DA1: "DC/DC-контроллер LM5165YDRC"
DA2 DA3: "Мультиплексор питания LTC4412ES6", TYPE=LTC4412ES6
DA4: "Микросхема TPS54020RUW", Manufactory="Texas Instruments", Function="4.5V to 17V Input 10A Synchronous Step-Down SWIFT™ Converter"
DD6: "Приёмопередатчик RS-485 ADM3061EARMZ", TYPE="Чип-конденсатор 0402"
DD7: library part STM32F103RCT6, "Микроконтроллер STM32F103RBT6 LQFP64 STMicroelectronics"
DD8: "Память EEPROM I2C 64 Кбит 24AA64T-I/OT SOT-23-5"
HL1 HL2: library part WL-SMCW_150060GS84000, "Светодиод SMD зелёный WL-SMCW 150060GS84000"
K1 K2 K3: "Точка соединения земель"
L1 L2: library part WE-UCF_744290130, "Линейный фильтр WE-UCF 744290130 Würth Elektronik", TYPE=WE-74279266
L3: library part WE-TPC_744062151, "Катушка индуктивности WE-TPC_744062151 WURTH ELEKTRONIK"
L4 L15 L16 L17 L18 L19: library part WE-CBF_742792625, "Фильтр индуктивный WE-CBF 742792625 Wurth Elektronik", TYPE=WE-CBF_742792625
L5: library part WE-LHMI_74437368022, "Катушка индуктивности WE-LHMI 74437368022 2,2 мкГн 10 А"
R1: library part R0402, "Чип-резистор 100 кОм 5% 0402", TYPE="Чип-резистор 0402"
R2: library part R0603, "Чип-резистор 1 Ом 5% 0603", TYPE="Чип-резистор 0603"
R3 R4 R14 R15 R16 R17: library part R0805, "Чип-резистор 88,7 Ом 1% 0805", TYPE="Чип-резистор 0805"
R5 R11: library part R0805, "Чип-резистор 5,11 кОм 1% 0805", TYPE="Чип-резистор 0805"
R6 R7: library part R0805, "Чип-резистор 470 кОм 5% 0805", TYPE="Чип-резистор 0805"
R8: library part R0402, "Чип-резистор 5,1 кОм 5% 0402", TYPE="Чип-резистор 0402"
R9: library part R0402, "Чип-резистор 100 Ом 5% 0402", TYPE="Чип-резистор 0402"
R10: library part R0805, "Чип-резистор 88,7 кОм 1% 0805", TYPE="Чип-резистор 0805"
R12: library part R0603, "Чип-резистор 11 кОм 1% 0603", TYPE="Чип-резистор 0603"
R13: library part R0402, "Чип-резистор 1,5 кОм 1% 0402", TYPE="Чип-резистор 0402"
R58 R60 R62: library part R0603, "Чип-резистор 33 кОм 1% 0603", TYPE="Чип-резистор 0603"
R59 R61 R63: library part R0603, "Чип-резистор 10 кОм 1% 0603", TYPE="Чип-резистор 0603"
R64: library part R0805, "Чип-резистор 120 Ом 5% 0805", TYPE="Чип-резистор 0805"
R65: library part R0402, "Чип-резистор 10 кОм 5% 0402", TYPE="Чип-резистор 0402"
R70 R73 R74 R75: library part R0402, "Чип-резистор 2,7 кОм 5% 0402", TYPE="Чип-резистор 0402"
R71 R72: library part R0402, "Чип-резистор 820 Ом 1% 0402", TYPE="Чип-резистор 0402"
RU1 RU2 RU3 RU4: library part WE-VS_82550140, "Варистор WE-VS 82550140 Wurth Elektronik"
SC1 SC2 SC3 SC4 SC5 SC6: library part WEC3R0105QG, "Суперконденсатор WEC3R0105QG 1 Ф 3,0 В VINATECH"
SW1: library part WS-TASV_430182050816, "Кнопка тактовая SMD 4x4 мм h=5 мм WS-TASV 430182050816"
VD1 VD2: library part MBRA340T3G, "Диод MRA4007T3G SMA (DO-214AC)"
VD3 VD4: library part SMAJ18A, "Диод TVS SMAJ12A SMA (DO-214AC)"
VD14: library part WE-TVS_824021, "Диодная сборка TVS WE-TVS 824021 WURTH ELEKTRONIK"
VD15 VD16 VD17: "Диодная сборка BAV199W SOT-323", TYPE=BAV199W
VD18: library part WE-TVS_82400152, "Диодная сброка ESD защиты WE-TVS 82400152 WURTH ELEKTRONIK"
VD19: "Диодная сборка с общим анодом BAT54A SOT-23"
VT1 VT4: "Транзистор P-канал DMP3098L-7 SOT-23"
VT2 VT3: "Транзистор MOSFET P-Channel SUM110P06-07L-E3 TO-263 (D2PAK)"
X1: library part WR-COM_651005136421, "Разъём miniUSB вертикальный WR-COM 651005136421 Wurth Elektronik"
X2: library part WR-PHD_62330821021, "Разъём-гнездо 8 контаков (2х4) шаг 1,27 мм поверхн. монтаж WR-PHD 62330821021"
X3 X4 X7 X10 X13 X15 X17 X19 X21 X23: library part Amphenol_CE1204000110111, "Разъём Amphenol CE1204000110111"
X5 X6 X8 X9 X11 X12 X14 X16 X18 X20 X22 X24: "Разъём MOLEX 46112-0201"

## Free pads (board coordinates)
  round 1.8 hole 1.8 paste+0 mask+0: 0(19.9,2) 0(314.7,2) 0(314.7,89)
  round 3.5 / inner round 3.5 / far side round 6 hole 3.5 paste+0 mask-0.05: 0(19.9,6.5) 0(314.7,6.5) 0(314.7,84.5)
  round 3.5 / inner round 3.5 / far side round 6 hole 3.5 unplated paste+0 mask-0.05: 0(19.9,84.5)
  round 1.8 hole 1.8 unplated paste+0 mask+0: 0(19.9,89)
  round 7.2 hole 3.2 paste+0 mask-0.05: M3(7,13) M3(7,78) M3(180,13) M3(180,78) M3(299.5,13) M3(299.5,78)
  round 1 smd far side paste-1 mask+0.5: Репер(3,88) Репер(3,3)
  round 1 smd paste-1 mask+0.5: Репер(3,3) Репер(3,88)

## Via types
v1: diameter 0.9, hole 0.4, Top Layer to Bottom Layer, tented both sides, 91 vias
v2: diameter 0.4, hole 0.2, Top Layer to Bottom Layer, tented both sides, 4 vias